# Altium PCB Atom.PcbDoc (part 1 of 2)
Units mil, origin at the board's own origin, x right, y up, seen from the top; angles counter-clockwise.
Board outline 1600 x 1600 mil, 4 copper layers (Top1, Signal2, Gnd3, Bottom4), stack 37.44 mil thick; 100 components, 125 nets, 493 pads, 296 vias.
Unrouted connection lines stored in the file: 72.
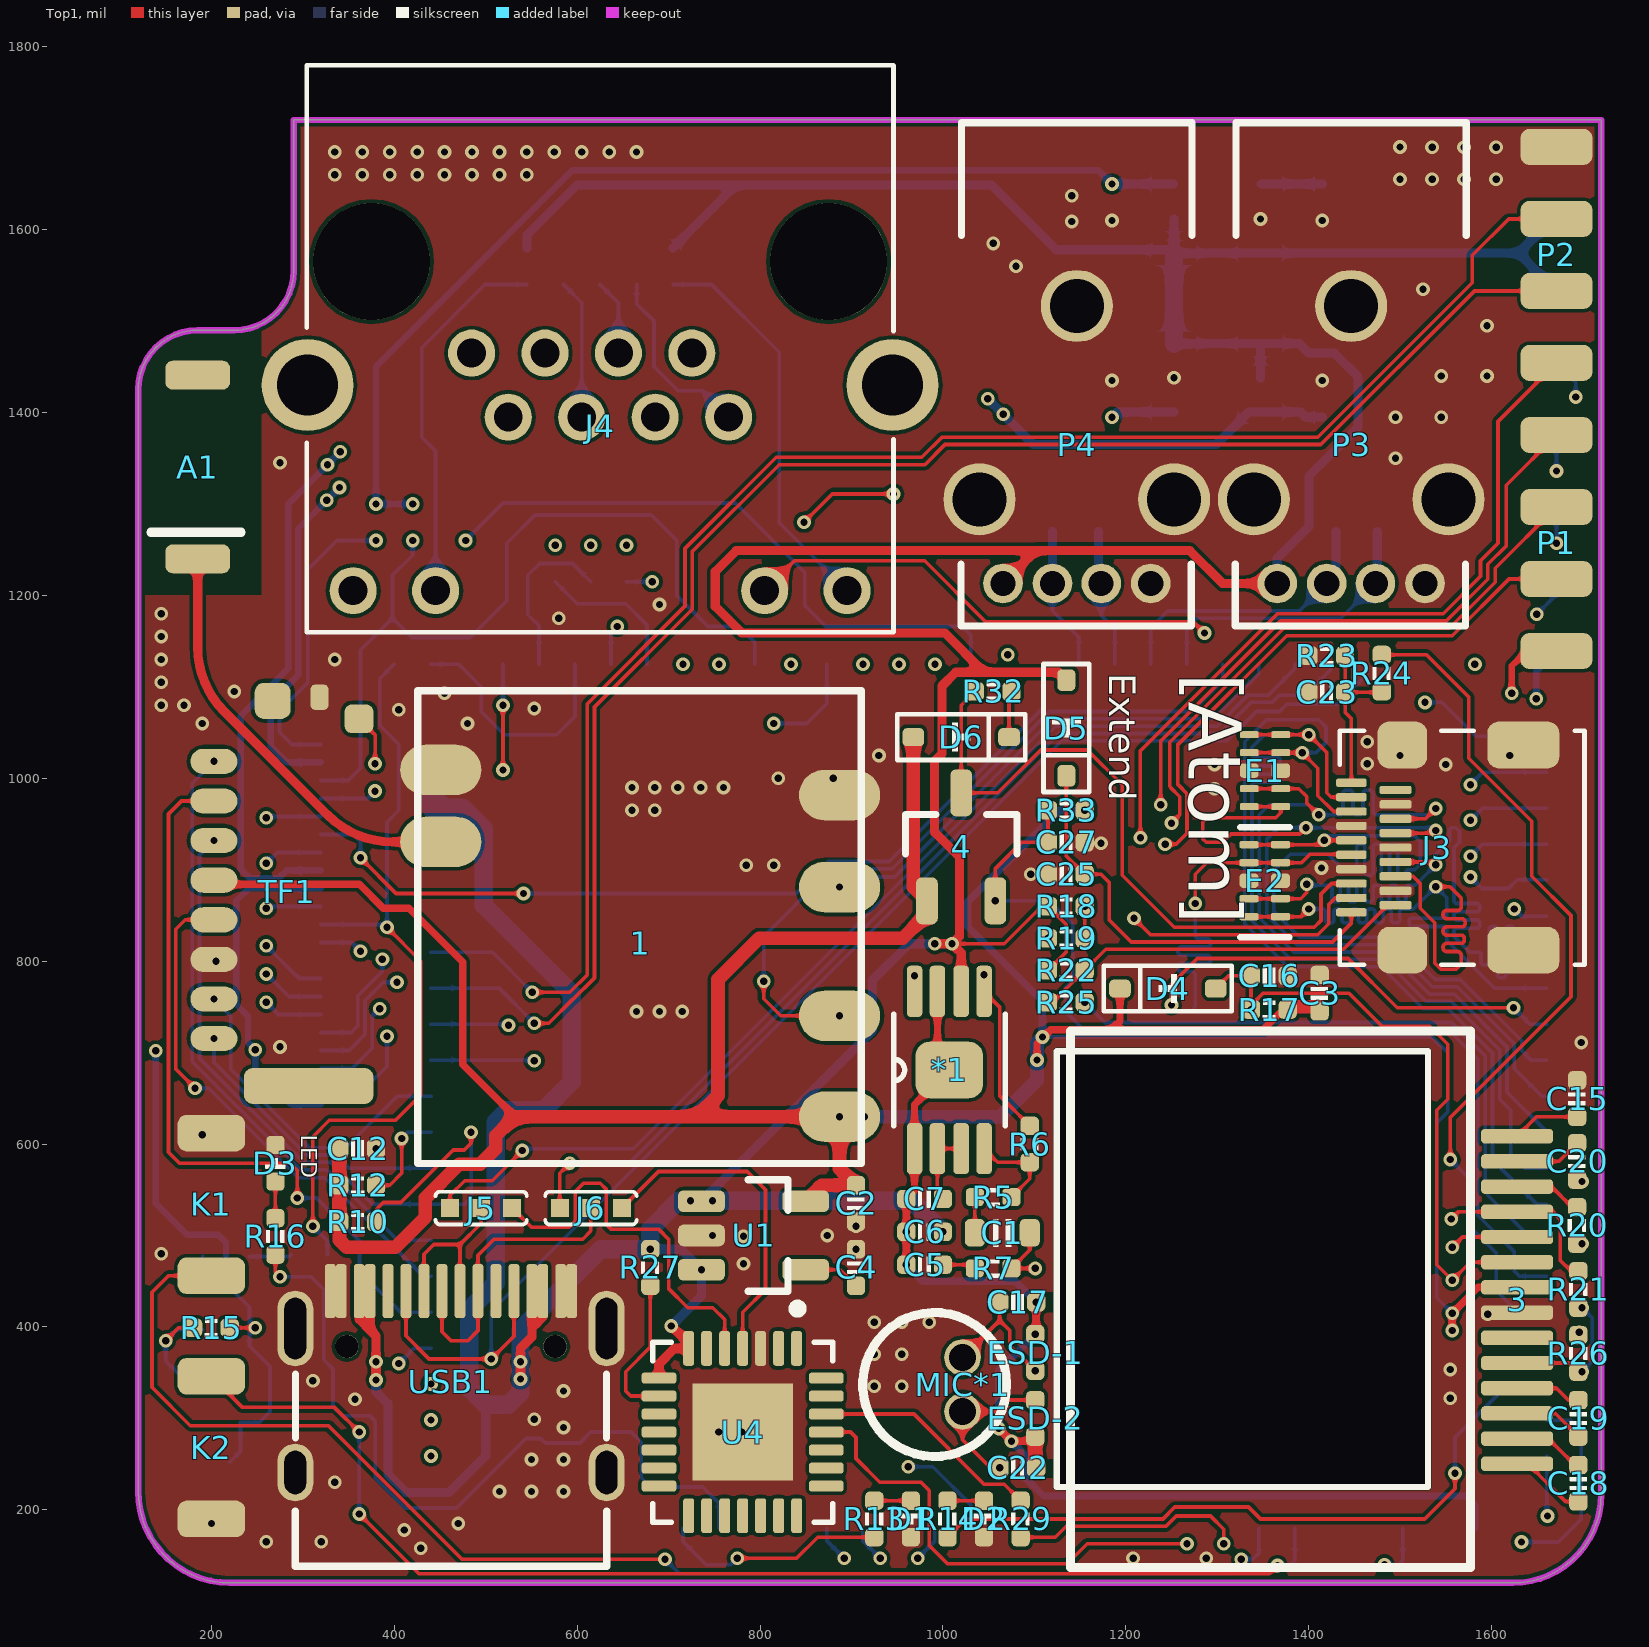
[diagram p0: Top1 view]
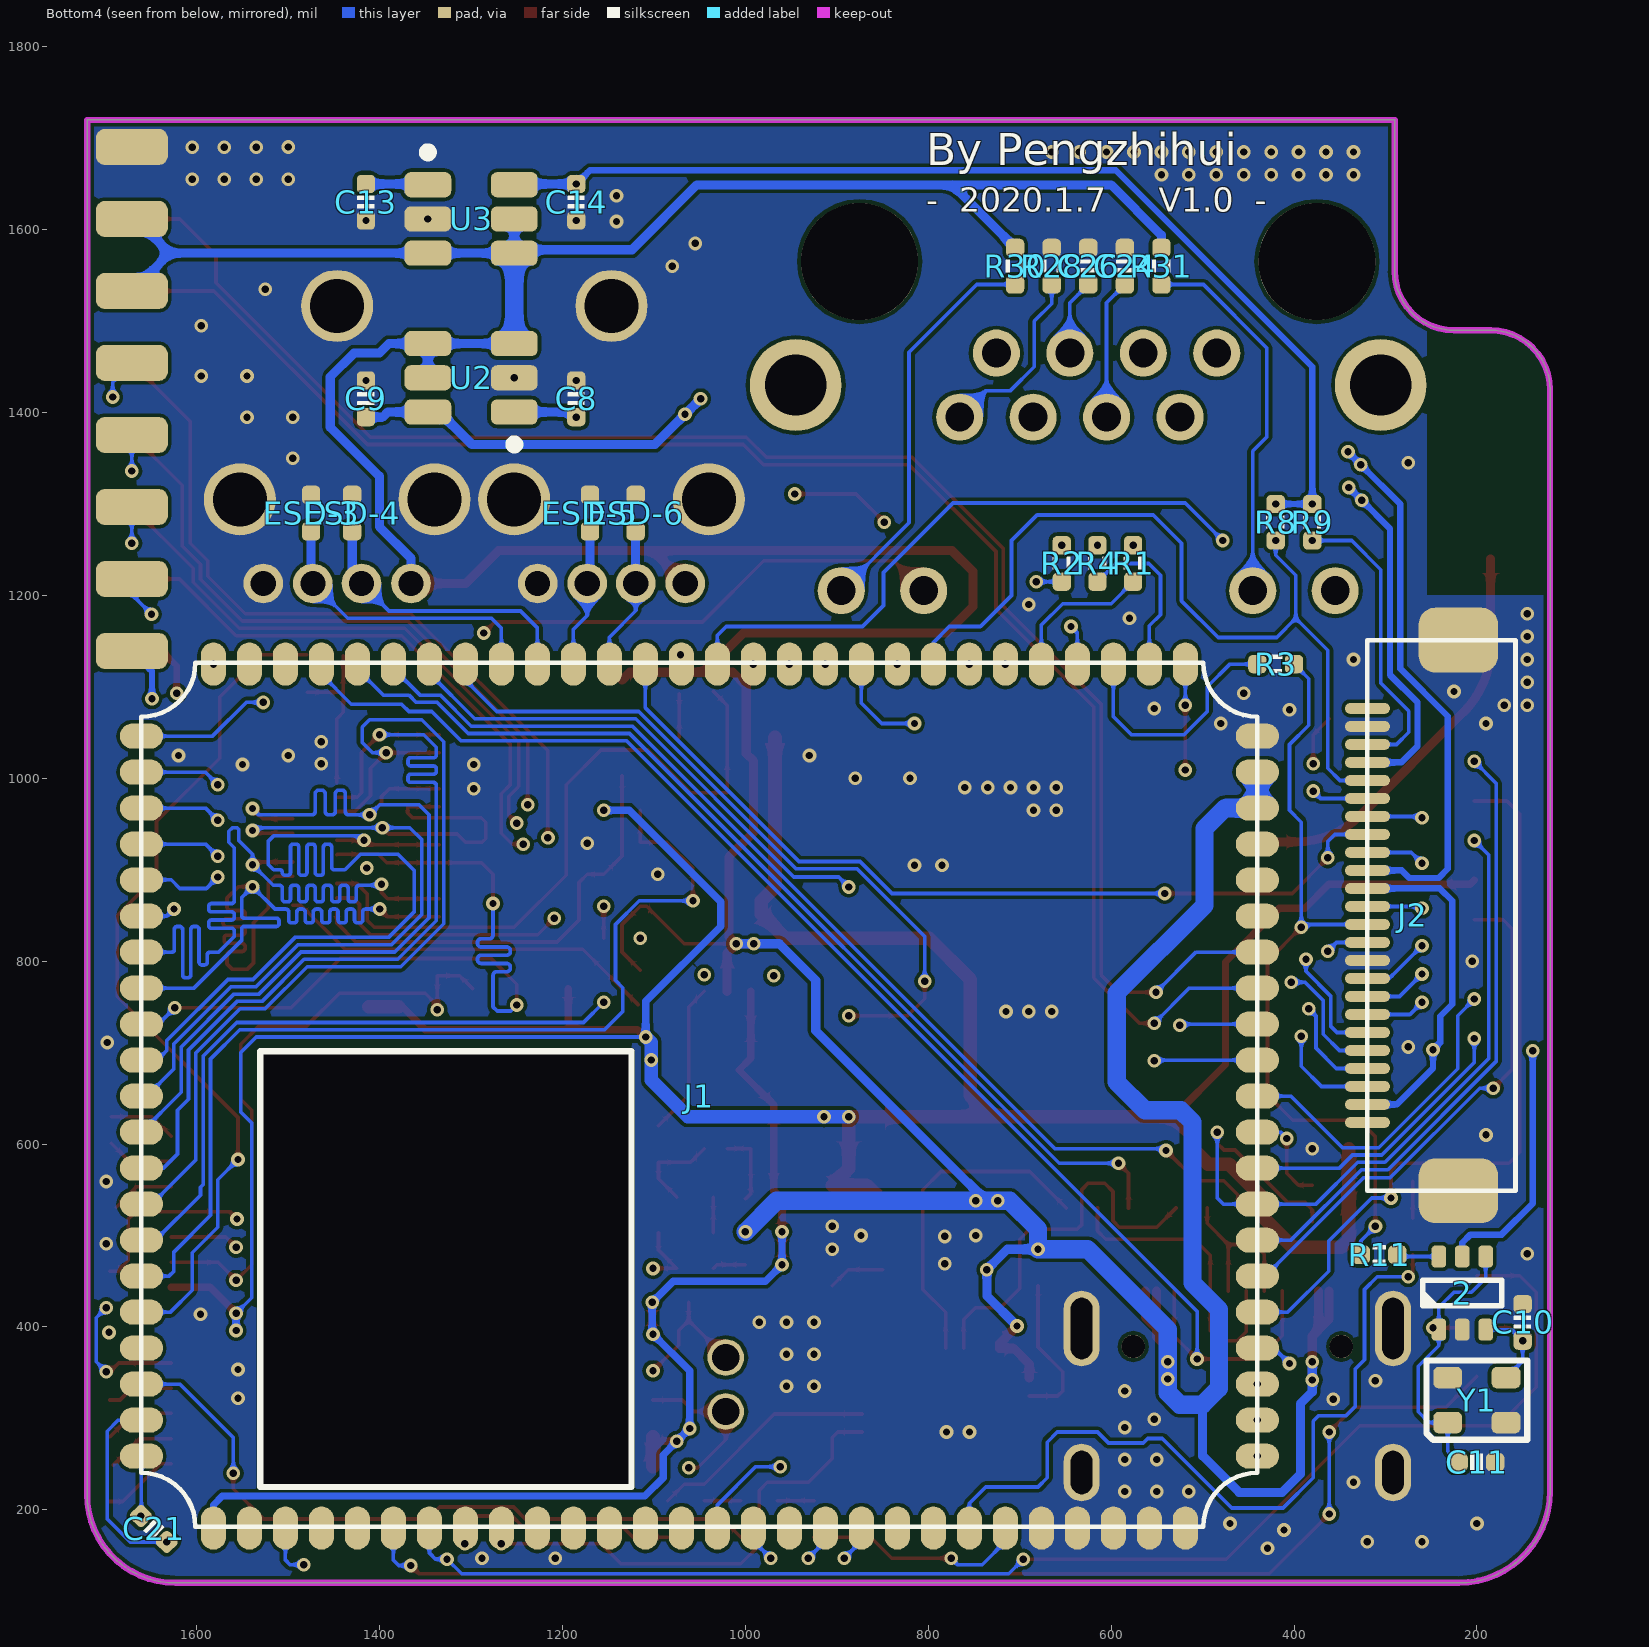
[diagram p1: Bottom4 view, seen from below]
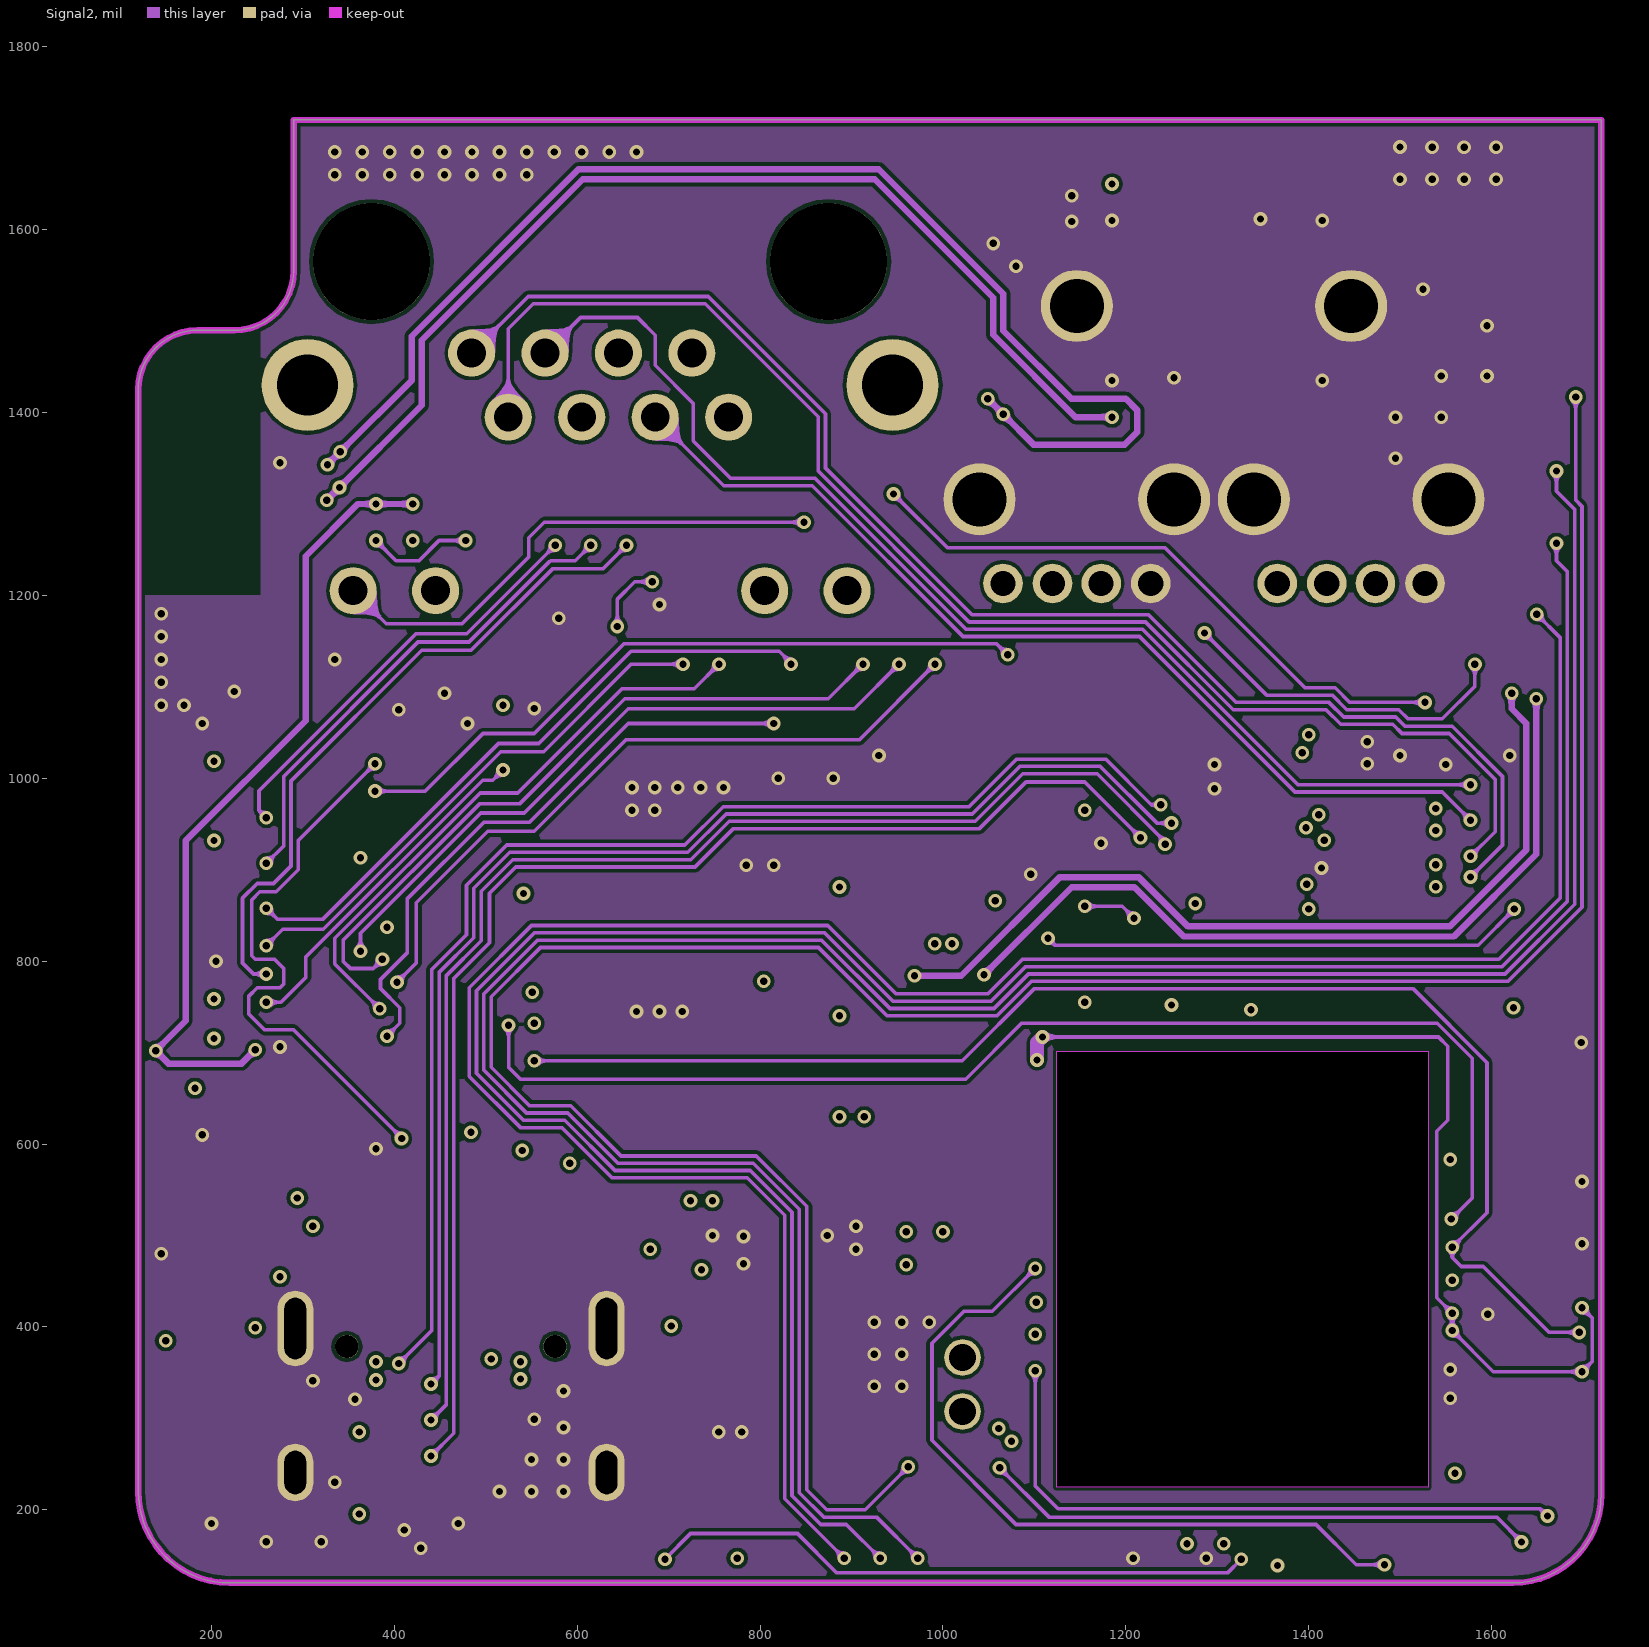
[diagram p2: Signal2]
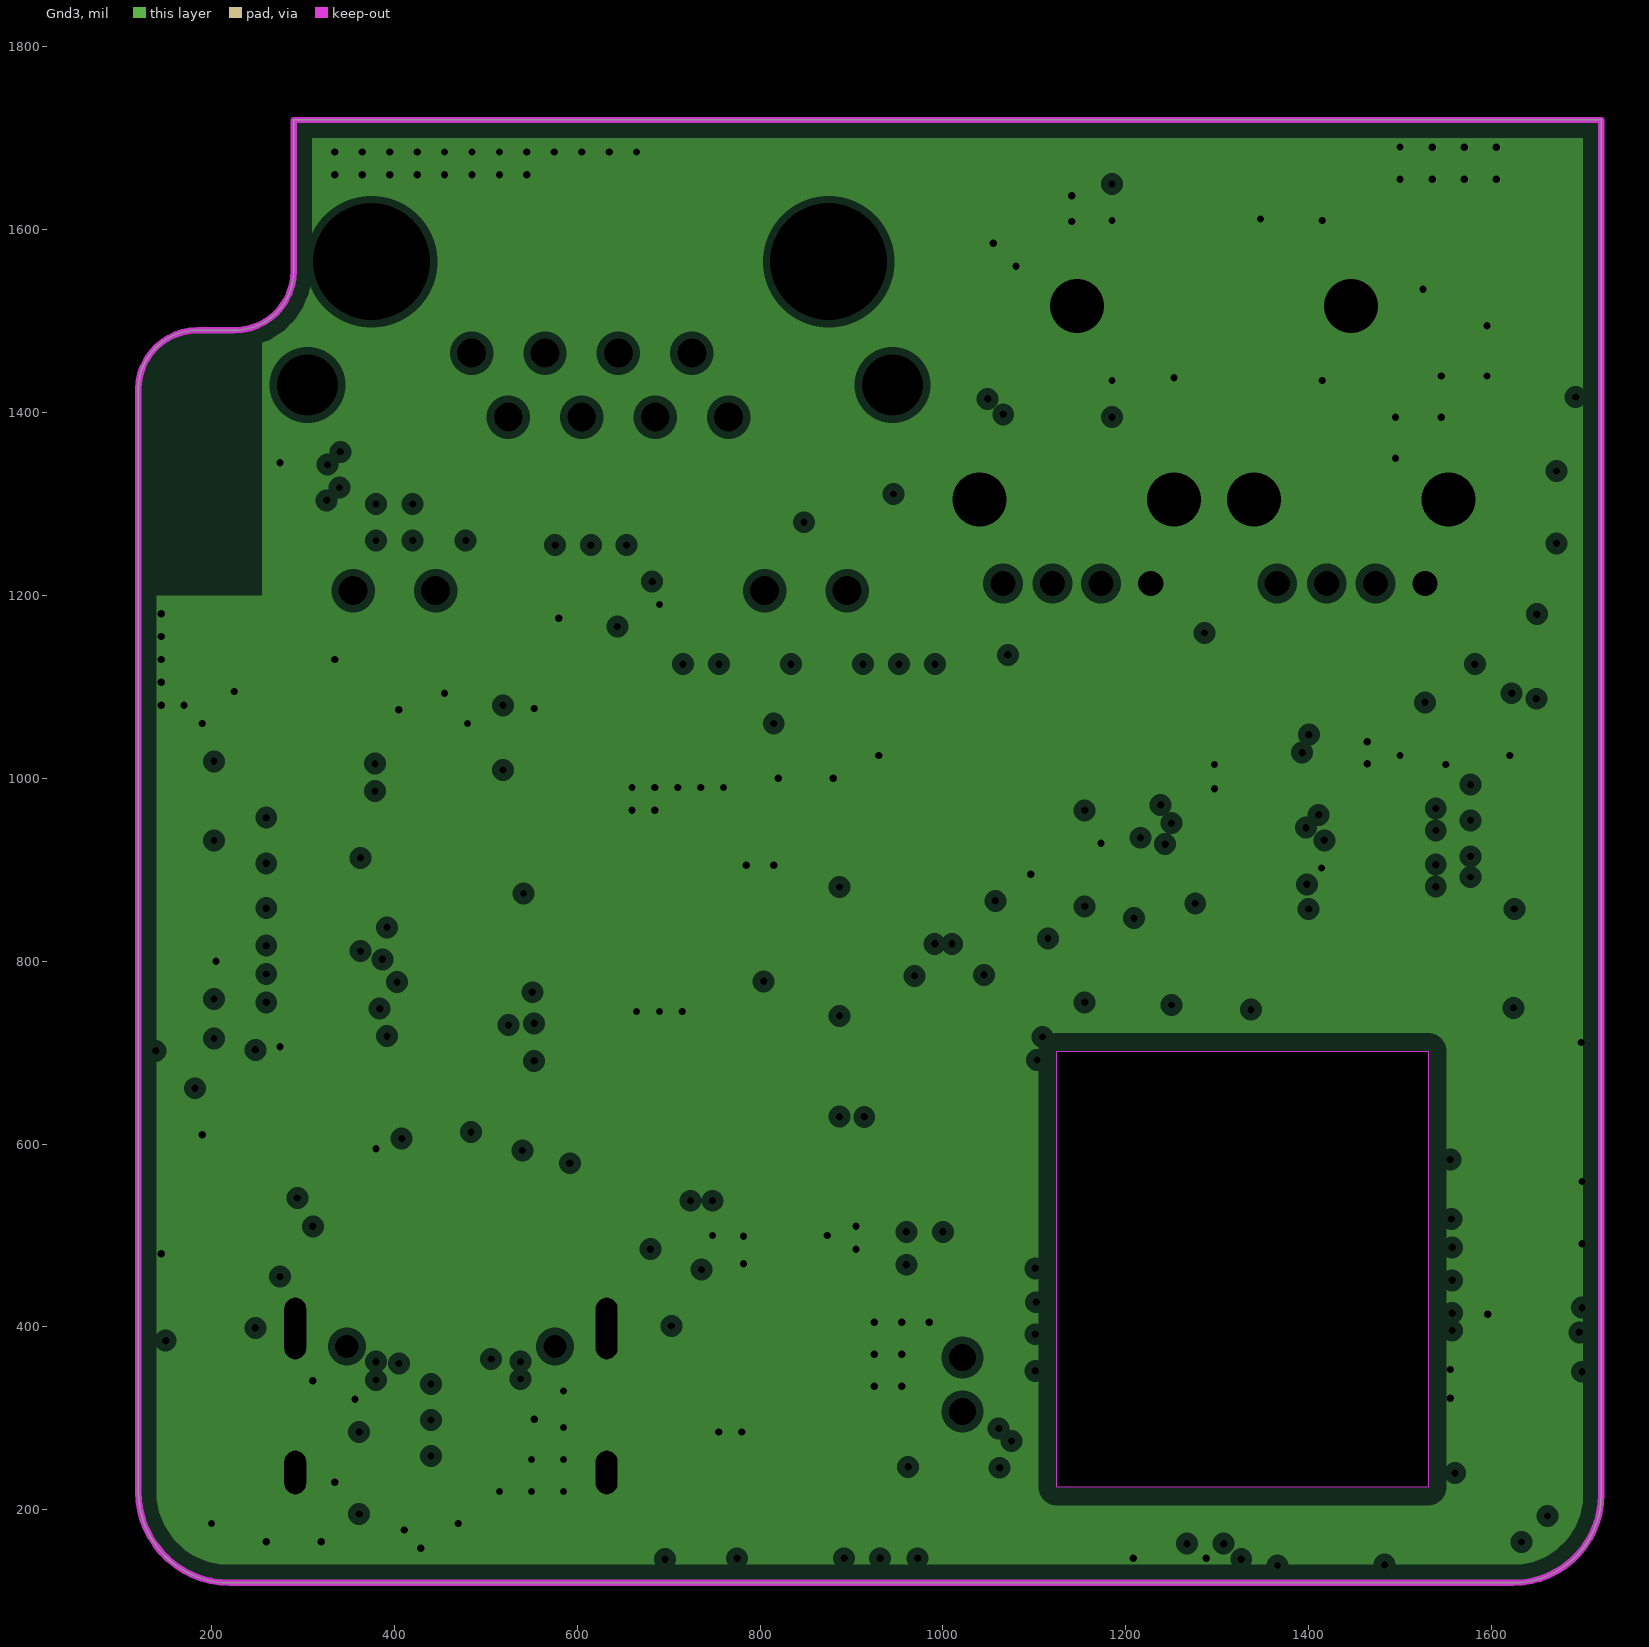
[diagram p3: Gnd3, clearances drawn from the general rule]
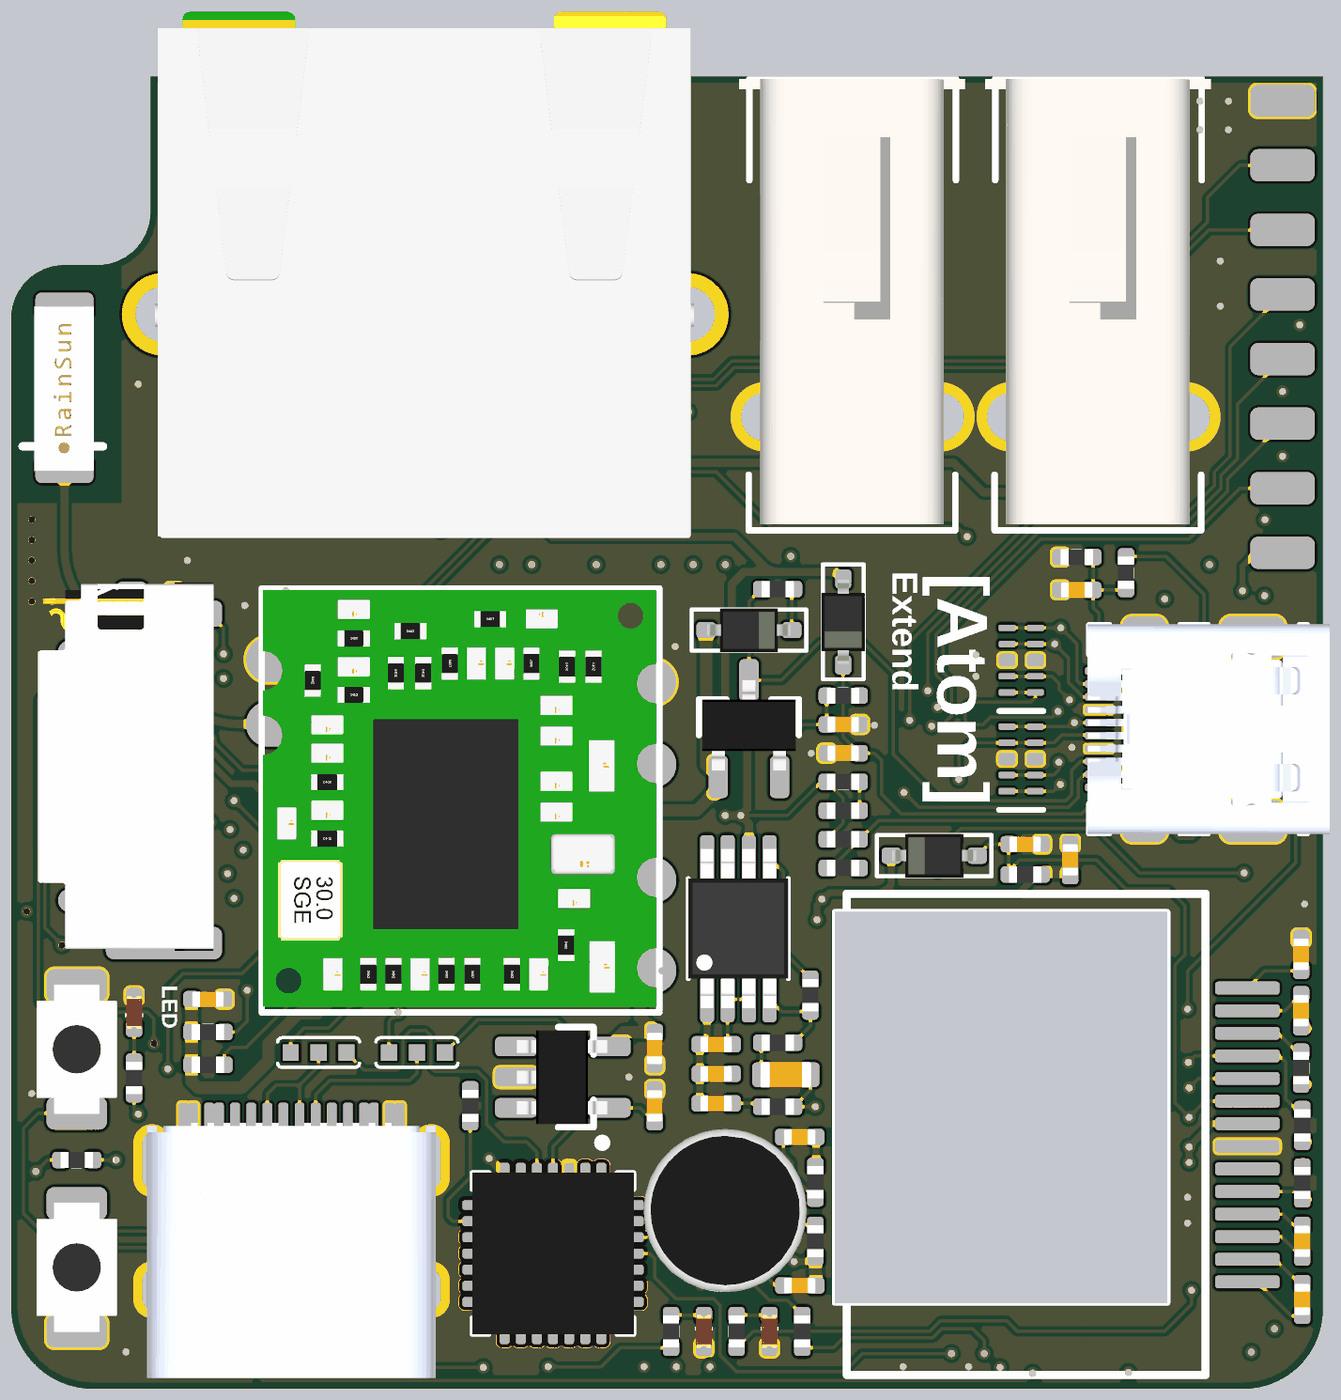
[diagram p5: 3D render of the assembled board from above, using the file's embedded part models]
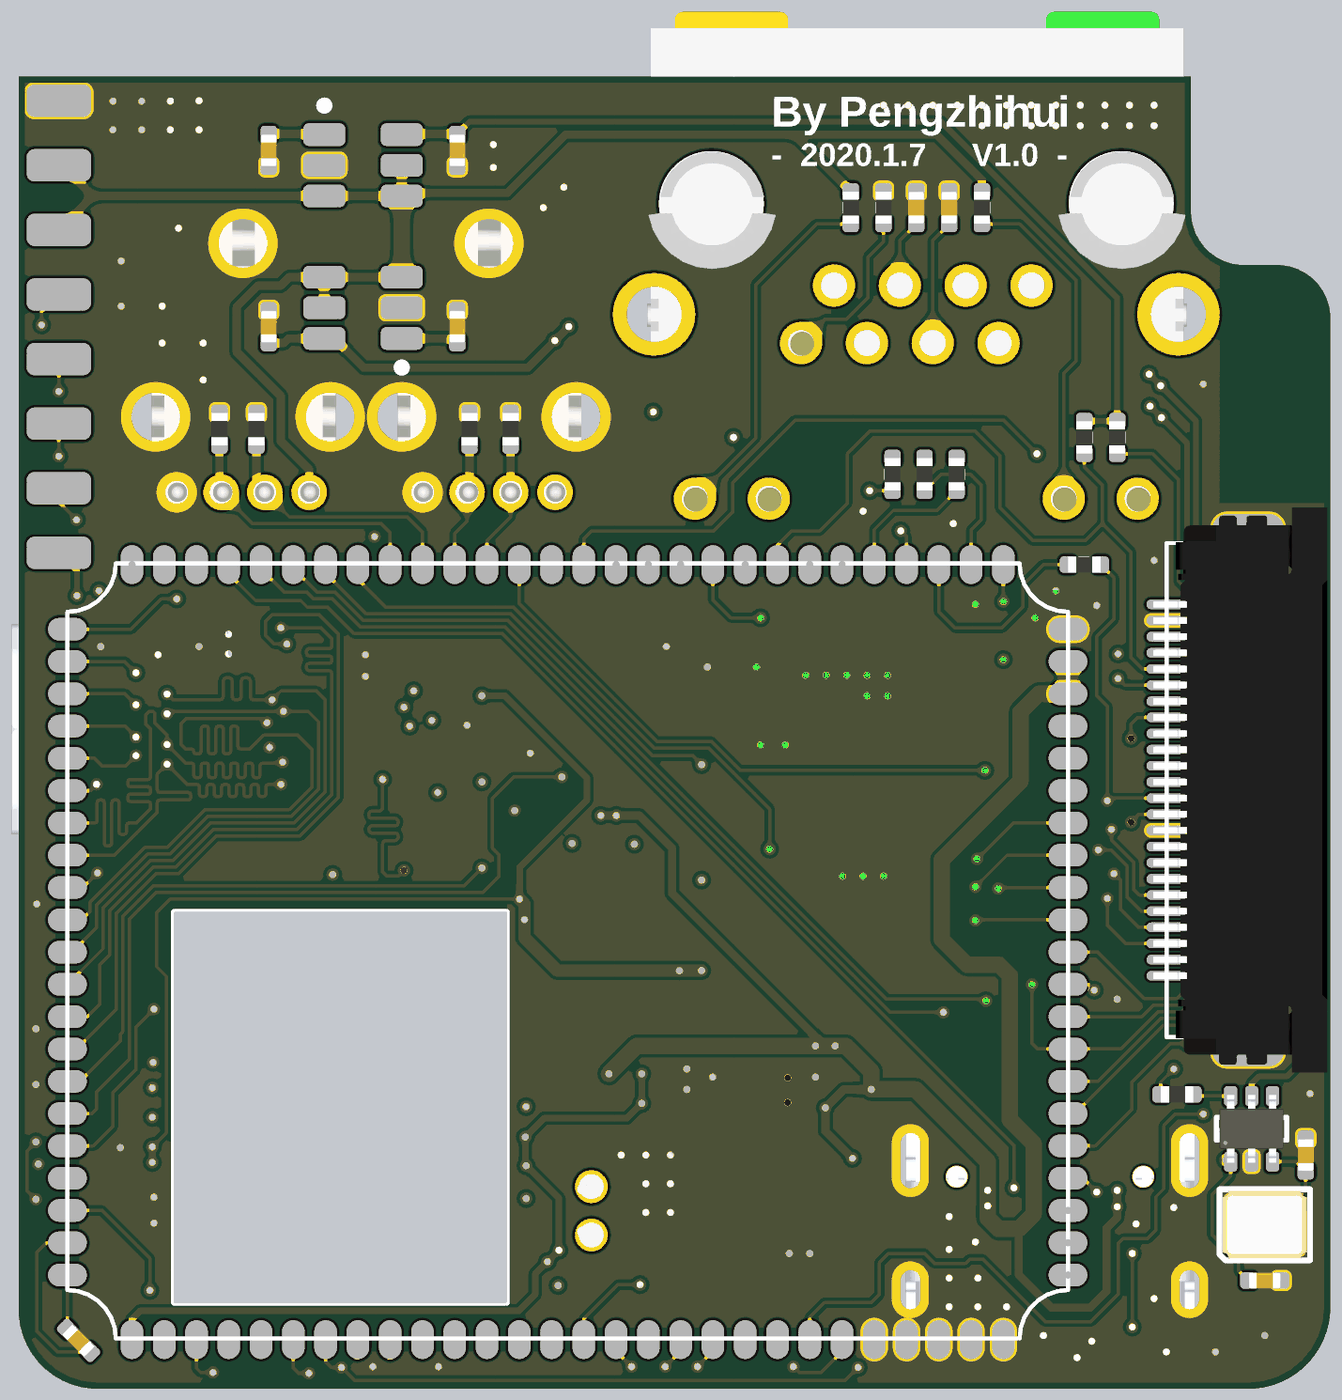
[diagram p6: 3D render of the assembled board from below, using the file's embedded part models]

## Layer stack, top to bottom
Top Solder: solder mask 0.394, Solder Resist, Dk 3.5
Top1: signal copper 1.417
Dielectric1: core 10, PP-006, Dk 4.2
Signal2: signal copper 1.378
Dielectric2: prepreg 11.811, PP-006, Dk 4.1
Gnd3: plane copper 1.417
Dielectric6: core 10, Dk 4.2
Bottom4: signal copper 1.417
Bottom Solder: solder mask 0.394, Solder Resist, Dk 3.5

## Board outline
120,220 ccw(c220,220) 220,120 1623.26,120 ccw(c1623.26,216.74) 1720,216.74 1720,1720 290,1720 290,1555 cw(c225,1555) 225,1490 185,1490 ccw(c185,1425) 120,1425